# Altium PCB TTN_Gateway_V2.3.1.PcbDoc (part 2 of 3) (continued)
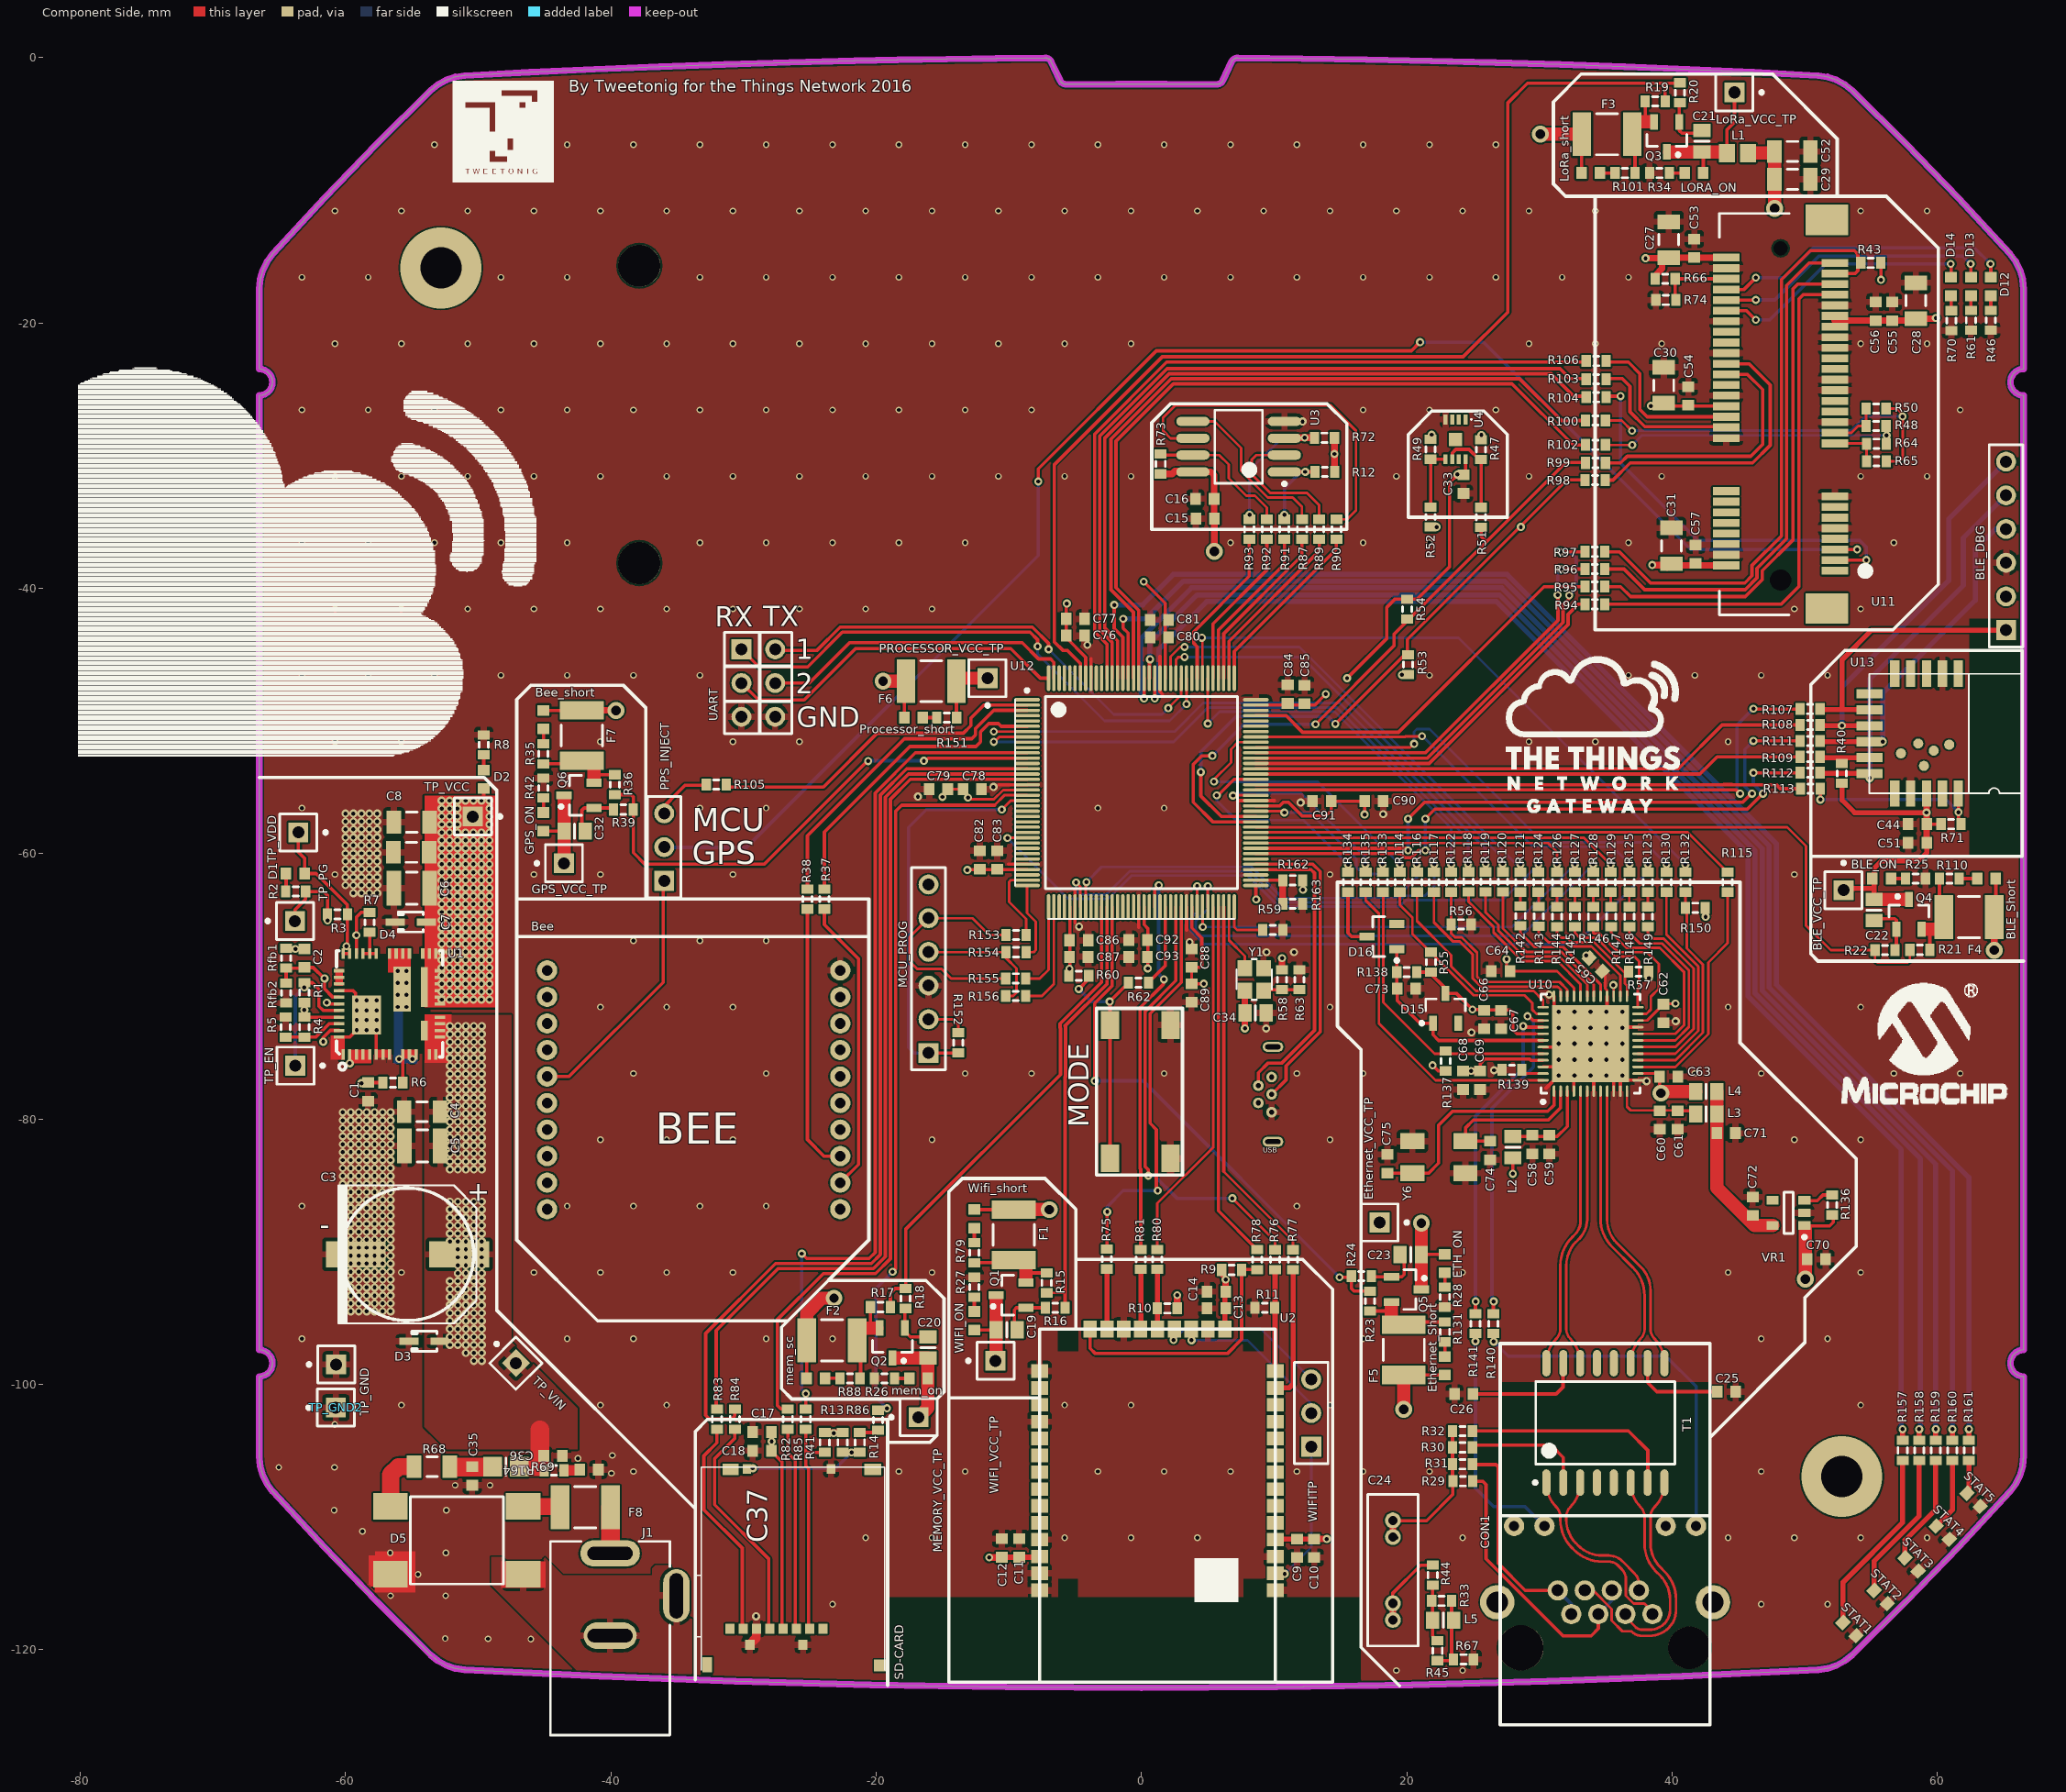
[diagram p0: Component Side view]
## Nets (pads, with @x,y where several pads share a name; then routed paths per layer and width w, separated by ;. In a path a pad name is that pad's centre, name@x,y a point inside that pad or via, vN(x,y) a via of type N, cw(c..) or ccw(c..) an arc to the next point about the centre after c; other vN are vias at no path point) (continued)
  Component Side w0.5: v1(38,-15.122) C27.2@39.7,-15.122 ; v1(38.5,-38.247) C31.2@39.85,-38.247 ; R66.1@38.725,-16.672 38.725,-16.422 39.25,-15.897 C27.2@39.25,-15.572 ; C27.2@39.75,-15.072 C53.2@41.85,-15.072 ; C31.2@39.925,-38.272 U11.2@44.075,-38.272 ; C53.2@41.675,-15.072 U11.52@44.075,-15.072 ; 52.25,-19.822 C56.2@55.35,-19.822 C55.2@56.6,-19.822 C28.2@58.225,-19.822 ; C28.2@58.375,-19.672 v1@59.825,-19.672
  Component Side w1: L1.2@45.725,-7.2 C52.2@47.598,-7.2 ; v4(47.725,-11.372) C29.2@47.725,-9.172 C52.2@47.725,-7.072
  Signal Layer 3 w0.5: v1(38,-15.122) 41.75,-11.372 v4(47.725,-11.372) ; v1(38.4,-26.247) 44.875,-26.247 ; v1(38.5,-38.247) 44.875,-31.872 44.875,-26.247 ; v1(59.875,-19.622) 56.95,-19.622 55.75,-18.422 v1(55.75,-16.747) 55.75,-14.297 52.825,-11.372 v4(47.725,-11.372) ; 44.875,-26.247 44.875,-15.672 47.725,-12.822 v4(47.725,-11.372)
"MEMORY VCC": C17.2 C18.2 C20.2 mem_on.1 MEMORY_VCC_TP.1 Q2.1 R13.1 R41.2 SD-CARD.VDD | length 34.8
  Component Side w0.254: v1(-27.875,-104.297) -27.875,-104.947 -27.925,-104.997 -27.087,-105.835 SD-CARD.VDD@-27.087,-118.397 ; C20.2@-16.123,-97.997 C20.2@-16.098,-98.022
  Component Side w0.5: R41.2@-23.875,-103.622 R13.1@-22.525,-103.622
  Component Side w1: Q2.1@-18.498,-97.997 C20.2@-16.123,-97.997 ; MEMORY_VCC_TP.1@-16.725,-102.397 -16.098,-101.77 mem_on.1@-16.098,-99.547 C20.2@-16.098,-98.022
  Signal Layer 3 w0.5: v1(-27.875,-104.297) -27.25,-103.672 -18,-103.672 MEMORY_VCC_TP.1@-16.725,-102.397
  other v1: -23.2,-103.672
NetBee_1: Bee.1 C32.2 GPS_ON.1 GPS_VCC_TP.1 Q6.1 | length 40.3
  Component Side w0.254: GPS_ON.1@-45.075,-58.3 C32.2@-43.525,-58.3
  Component Side w1: -43.525,-59.95 C32.2@-43.525,-58.3 Q6.1@-43.525,-55.85
  Signal Layer 3 w0.5: GPS_VCC_TP.1@-43.475,-60.722 -43.475,-66.02 Bee.1@-22.7,-86.795
NetBee_2: Bee.2 R37.2 | length 22.3
  Component Side w0.254: R37.2@-23.9,-64.172 -23.9,-65.347 -21.325,-67.922 -21.325,-83.42 Bee.2@-22.7,-84.795
NetBee_3: Bee.3 R38.2 | length 20.4
  Component Side w0.254: R38.2@-25.175,-64.17 -25.175,-81.547 -23.927,-82.795 Bee.3@-22.7,-82.795
NetBee_short_2: Bee_short.2 R35.1 | length 1.1
  Component Side w0.254: R35.1@-45.075,-51.725 Bee_short.2@-45.075,-50.6
NetBLE_ON_2: BLE_ON.2 R25.2 | length 1.1
  Component Side w0.254: BLE_ON.2@56.5,-61.874 R25.2@57.6,-61.875
NetBLE_Short_2: BLE_Short.2 R110.1 | length 1.3
  Component Side w0.254: R110.1@61.65,-61.875 BLE_Short.2@63,-61.875
NetC1_2: C1.2 R6.2 U1.51 | length 7.9
  Component Side w0.254: v1@-61.675,-74.05 -61.675,-73.849 -61.145,-73.32 U1.51@-60.475,-73.32 ; C1.2@-58.3,-77.25 R6.2@-57.175,-77.25
  Signal Layer 3 w0.254: v1(-61.675,-74.175) -61.675,-75.775 -60.15,-77.3 v1@-58.775,-77.3
  other v1: -58.8,-77.3
NetC2_2: C2.2 R7.1 Rfb1.2 Rfb2.2 U1.39 U1.46 | length 15.6
  Component Side w0.254: Rfb2.2@-64.475,-69.749 Rfb1.2@-64.475,-68.625 -63.15,-68.625 C2.2@-63.1,-68.575 -62.425,-68.575 -61.575,-69.425 -61.575,-70.189 -60.945,-70.819 U1.46@-60.475,-70.819 ; U1.39@-59.175,-67.52 v1(-59.175,-66.147) -59.175,-64.775 -58.825,-64.425 R7.1@-58.175,-64.425
  Signal Layer 3 w0.254: v1(-61.575,-69.4) -61.575,-66.9 -60.823,-66.147 v1(-59.175,-66.147)
NetC3_1: C3.1 C4.2 C5.2 C36.2 D3.2 R1.1 R4.2 R69.2 R164.2 TP_VIN.1 U1.14 U1.15 U1.16 U1.17 U1.18 U1.19 U1.49 | length 41.9
  Component Side w0.254: R4.2@-63.1,-72.325 R4.2@-63.095,-72.319 ; R4.2@-63.1,-72.319 R4.2@-63.095,-72.319 ; U1.49@-60.475,-72.319 R4.2@-63.095,-72.319
  Component Side w1.4: R69.2@-46.9,-106.2 -45.35,-106.2 -45.35,-103.425
  Signal Layer 3 w0.254: v1(-63.1,-71.775) -62.375,-72.5 -62.375,-93.525 -56.165,-99.734 -53.522,-99.734 -52.492,-100.764
  other v1: -50.325,-98.222 -49.725,-98.222 -50.925,-97.622 -50.325,-97.622 -49.725,-97.622 -52.125,-97.022 -51.525,-97.022 -50.925,-97.022 -50.325,-97.022 -49.725,-97.022 -52.125,-96.422 -51.525,-96.422 -50.925,-96.422 -50.325,-96.422 -49.725,-96.422 -52.125,-95.822 -51.525,-95.822 -50.925,-95.822 -50.325,-95.822 -49.725,-95.822 -52.125,-95.222 -51.525,-95.222 -50.925,-95.222 -50.325,-95.222 -49.725,-95.222 -52.125,-94.622 -51.525,-94.622 -50.925,-94.622 -50.325,-94.622 -49.725,-94.622 -52.125,-94.022 -51.525,-94.022 -50.925,-94.022 -50.325,-94.022 -49.725,-94.022 -52.125,-93.422 -51.525,-93.422 -50.925,-93.422 -50.325,-93.422 -49.725,-93.422 -52.125,-92.822 -51.525,-92.822 -50.925,-92.822 -50.325,-92.822 -49.725,-92.822 -52.125,-92.222 -51.525,-92.222 -50.925,-92.222 -50.325,-92.222 -49.725,-92.222 -51.525,-91.622 -50.925,-91.622 -50.325,-91.622 -49.725,-91.622 -51.525,-91.022 -50.925,-91.022 -50.325,-91.022 -49.725,-91.022 -51.525,-90.422 -50.925,-90.422 -50.325,-90.422 -49.725,-90.422 -51.525,-89.822 -50.925,-89.822 -50.325,-89.822 -49.725,-89.822 -52.125,-89.222 -51.525,-89.222 -50.925,-89.222 -50.325,-89.222 -49.725,-89.222 -52.125,-88.622 -51.525,-88.622 -50.925,-88.622 -50.325,-88.622 -49.725,-88.622 -52.125,-88.022 -51.525,-88.022 -50.925,-88.022 -50.325,-88.022 -49.725,-88.022 -52.125,-87.422 -51.525,-87.422 -50.925,-87.422 -50.325,-87.422 -49.725,-87.422 -52.125,-86.822 -51.525,-86.822 -50.925,-86.822 -50.325,-86.822 -49.725,-86.822 -52.125,-86.222 -51.525,-86.222 -50.925,-86.222 -50.325,-86.222 -49.725,-86.222 -52.125,-83.797 -51.525,-83.797 -50.925,-83.797 -50.325,-83.797 -49.725,-83.797 -52.125,-83.197 -51.525,-83.197 -50.925,-83.197 -50.325,-83.197 -49.725,-83.197 -52.125,-82.597 -51.525,-82.597 -50.925,-82.597 -50.325,-82.597 -49.725,-82.597 -52.125,-81.997 -51.525,-81.997 -50.925,-81.997 -50.325,-81.997 -49.725,-81.997 -52.125,-81.397 -51.525,-81.397 -50.925,-81.397 -50.325,-81.397 -49.725,-81.397 -52.125,-80.797 -51.525,-80.797 -50.925,-80.797 -50.325,-80.797 -49.725,-80.797 -52.125,-80.197 -51.525,-80.197 -50.925,-80.197 -50.325,-80.197 -49.725,-80.197 -52.125,-79.597 -51.525,-79.597 -50.925,-79.597 -50.325,-79.597 -49.725,-79.597 -52.125,-78.997 -51.525,-78.997 -50.925,-78.997 -50.325,-78.997 -49.725,-78.997 -52.125,-78.397 -51.525,-78.397 -50.925,-78.397 -50.325,-78.397 -49.725,-78.397 -52.125,-77.797 -51.525,-77.797 -50.925,-77.797 -50.325,-77.797 -49.725,-77.797 -52.125,-77.197 -51.525,-77.197 -50.925,-77.197 -50.325,-77.197 -49.725,-77.197 -52.125,-76.597 -51.525,-76.597 -50.925,-76.597 -50.325,-76.597 -49.725,-76.597 -52.125,-75.997 -51.525,-75.997 -50.925,-75.997 -50.325,-75.997 -49.725,-75.997 -52.125,-75.397 -51.525,-75.397 -50.925,-75.397 -50.325,-75.397 -49.725,-75.397 -52.125,-74.797 -51.525,-74.797 -50.925,-74.797 -50.325,-74.797 -49.725,-74.797 -52.125,-74.197 -51.525,-74.197 -50.925,-74.197 -50.325,-74.197 -49.725,-74.197 -52.125,-73.597 -51.525,-73.597 -50.925,-73.597 -50.325,-73.597 -49.725,-73.597 -52.125,-72.997 -51.525,-72.997 -50.925,-72.997 -50.325,-72.997 -49.725,-72.997
NetC19_1: C19.1 Q1.3 R16.1 | length 4
  Component Side w0.254: C19.1@-9.35,-95.874 -9.575,-95.649 -9.575,-94.375 -9.425,-94.225 Q1.3@-8.7,-94.225 R16.1@-7.25,-94.224
NetC20_1: C20.1 Q2.3 R18.1 | length 3.8
  Component Side w0.254: R18.1@-17.873,-94.172 R18.1@-17.773,-94.272 -17.823,-94.322 Q2.3@-17.823,-95.747 -17.823,-96.022 -17.423,-96.422 C20.1@-16.098,-96.422
NetC21_1: C21.1 Q3.3 R20.1 | length 3.9
  Component Side w0.254: R20.1@40.55,-3.449 Q3.3@40.55,-4.85 40.55,-5.5 40.75,-5.7 42.05,-5.7 C21.1@42.25,-5.5
NetC21_2: C21.2 L1.1 LORA_ON.1 LoRa_VCC_TP.1 Q3.1 | length 10.8
  Component Side w0.254: C21.2@42.25,-7.1 42.35,-7.2 LORA_ON.1@42.35,-8.7 ; L1.1@44.025,-7.1 L1.1@44.125,-7.2 44.125,-5.447 44.7,-4.872 LoRa_VCC_TP.1@44.7,-2.622
  Component Side w1: Q3.1@39.825,-7.1 C21.2@42.25,-7.1 L1.1@44.025,-7.1
NetC22_1: C22.1 Q4.3 R22.1 | length 4
  Component Side w0.254: C22.1@55.225,-65.05 55.375,-64.9 56.775,-64.9 56.9,-65.025 Q4.3@56.9,-65.7 56.9,-67.05 R22.1@56.8,-67.15
NetC23_1: C23.1 Q5.3 R24.1 | length 3.7
  Component Side w0.254: R24.1@17.375,-91.895 Q5.3@18.85,-91.895 19.625,-91.895 19.8,-91.72 C23.1@19.8,-90.52
NetC24_1: C24.1 R44.1 | length 6
  Component Side w0.254: C24.1@18.95,-117.807 18.95,-115.722 21.05,-113.622 R44.1@21.95,-113.622
NetC24_2: C24.2 R29.2 R30.1 R31.2 R32.1 | length 10.1
  Component Side w0.254: C24.2@18.95,-110.272 21.5,-110.272 23.475,-108.297 R29.2@23.475,-107.297 23.45,-107.272 R30.1@23.45,-104.747 R32.1@23.45,-103.522
  other v2: 19.215,-111.559
NetC25_2: C25.2 T1.10 | length 6.9
  Component Side w0.254: T1.10@38.15,-98.475 38.15,-99.85 38.847,-100.547 C25.2@43.4,-100.547
NetC26_2: C26.2 T1.15 | length 8.8
  Component Side w0.254: C26.2@25,-100.722 31.253,-100.722 31.775,-100.2 T1.15@31.775,-98.35
NetC32_1: C32.1 Q6.3 R39.2 | length 4
  Component Side w0.254: C32.1@-41.925,-58.3 -42.175,-58.05 -42.175,-56.725 -42,-56.55 Q6.3@-41.275,-56.55 R39.2@-39.925,-56.55
NetC35_2: C35.2 R68.2 R69.1 | length 2.8
  Component Side w1.4: R68.2@-51.725,-106.225 R69.1@-48.9,-106.225
NetC37_2: C37.2 R164.1 | length 1.1
  Component Side w0.8: R164.1@-43.5,-106.475 C37.2@-42.4,-106.475
NetC58_2: C58.2 C59.2 L2.2 U10.3 | length 7.4
  Component Side w0.2: L2.2@28.175,-81.472 L2.2@28.425,-81.222
  Component Side w0.254: L2.2@28,-81.322 31.325,-81.322 32.1,-80.547 U10.3@32.1,-77.897
NetC60_2: C60.2 C61.2 L3.1 U10.12 | length 6.5
  Component Side w0.2: U10.12@36.6,-77.897 36.6,-79.072 36.875,-79.347 C61.2@40.35,-79.347
  Component Side w0.254: C61.2@40.425,-79.372 41.525,-79.372 L3.1@41.775,-79.622
NetC63_2: C63.2 C65.2 C68.2 C69.2 L4.1 U10.14 U10.27 U10.45 | length 50.5
  Component Side w0.2: U10.27@35.6,-70.747 v1@35.6,-70.122 ; U10.14@37.425,-76.572 C63.2@38.825,-76.572
  Component Side w0.254: C69.2@25.55,-76.422 25.55,-75.797 25.875,-75.472 29.25,-75.472 29.35,-75.572 U10.45@30.275,-75.572 ; C63.2@39.05,-76.797 39.05,-77.872 v4@39.1,-77.922
  Component Side w0.5: C68.2@24.25,-76.372 C69.2@25.525,-76.372
  Component Side w1: v4@39.1,-77.922 L4.1@41.775,-77.922
  Signal Layer 3 w0.254: v1(35.575,-69.897) 35.098,-69.897 33.525,-68.324 v1(33.525,-67.672) 39.475,-67.672 42.95,-71.147 42.95,-74.247 v4(39.15,-78.047)
  Signal Layer 3 w0.5: v1(24.85,-76.372) 26.775,-78.297 38.625,-78.297 v4@39.05,-77.872
NetC73_2: C73.2 D15.1 D16.1 R138.1 U10.42 | length 16.6
  Component Side w0.254: D16.1@19.25,-67.197 19.25,-70.147 C73.2@19.275,-70.172 19.275,-71.047 21,-72.772 D15.1@21.975,-72.772 21.975,-73.647 22.4,-74.072 U10.42@30.275,-74.072
NetC74_2: C74.2 U10.2 Y6.1 | length 11.9
  Component Side w0.254: Y6.1@24.4,-81.647 Y6.1@24.425,-81.672 ; C74.2@26.275,-81.672 Y6.1@24.425,-81.672 ; U10.2@31.6,-77.897 31.6,-79.147 30.675,-80.072 25.025,-80.072 24.425,-80.672 Y6.1@24.425,-81.672
NetC75_2: C75.2 U10.1 Y6.3 | length 17.4
  Component Side w0.254: C75.2@18.55,-84.072 Y6.3@20.425,-84.072 21.65,-84.072 22.4,-83.322 22.4,-80.472 23.45,-79.422 30.625,-79.422 31.1,-78.947 U10.1@31.1,-77.897
NetCON1_4: CON1.4 CON1.5 R29.1 | length 20.3
  Component Side w0.254: R29.1@24.975,-107.297 25.725,-107.297 25.975,-107.547 25.975,-113.147 31.775,-118.947 33.9,-118.947 34.44,-118.407 CON1.5@34.44,-117.307
  Solder Side w0.254: CON1.5@34.44,-117.307 CON1.4@35.46,-116.287
NetCON1_7: CON1.7 CON1.8 R31.1 | length 16.8
  Component Side w0.254: R31.1@24.95,-106.047 26.725,-106.047 26.9,-106.222 26.9,-113.497 28.93,-115.527 CON1.8@31.38,-115.527
  Solder Side w0.254: CON1.8@31.38,-115.527 32.4,-116.547 CON1.7@32.4,-117.307
NetCON1_9: CON1.9 R140.2 | length 27.2
  Solder Side w0.254: v1(26.55,-96.772) 27.65,-97.872 39.525,-97.872 41.81,-100.157 CON1.9@41.81,-110.667
NetCON1_11: CON1.11 R141.2 | length 17.5
  Solder Side w0.254: v1(25.175,-96.747) 25.175,-107.822 26.55,-109.197 28.91,-109.197 CON1.11@30.38,-110.667
NetD1_1: D1.1 R3.1 TP_VDD.1 U1.2 U1.3 U1.4 U1.5 U1.40 U1.41 | length 20.7
  Component Side w0.254: TP_VDD.1@-63.55,-58.397 -63.55,-59.872 -63.075,-60.347 D1.1@-63.075,-61.5 -62.2,-61.5 -59.85,-63.85 R3.1@-59.85,-64.575 -59.85,-66.9 v1(-59.925,-66.975) ; U1.41@-60.175,-67.52 U1.40@-59.675,-67.519
  Signal Layer 3 w0.254: v1(-59.925,-66.975) -60.675,-67.725 -60.675,-74.799 v1(-59.675,-75.8)
NetD1_2: D1.2 R2.1 | length 1.4
  Component Side w0.254: R2.1@-64.5,-62.849 -64.475,-62.824 D1.2@-64.475,-61.5
NetD2_2: D2.2 R8.2 | length 1.2
  Component Side w0.254: D2.2@-49.575,-53.697 R8.2@-49.575,-52.547
NetD5_1: D5.1 R68.1 | length 4.2
  Component Side w1.3: D5.1@-56.6,-109.2 -56.6,-106.8 -56,-106.2 R68.1@-55.05,-106.2
NetD5_3: D5.3 J1.2 J1.2A J1.2B J1.3 J1.3A J1.3B pad.2@-35.05,-115.932 pad.2@-40.05,-118.932
NetD5_4: D5.4 F8.2 | length 2.7
  Component Side w1.3: D5.4@-46.6,-109.2 F8.2@-43.875,-109.2
NetD12_1: D12.1 U11.46 | length 22.7
  Component Side w0.254: U11.46@44.075,-17.472 45.425,-17.472 v1@46.3,-16.597 ; D12.1@64.025,-16.547 v1@64.025,-15.572
  Solder Side w0.254: v1(46.312,-16.585) 48.413,-16.585 50.65,-14.347 62.8,-14.347 v1(64,-15.547)
NetD12_2: D12.2 R46.2 | length 1.1
  Component Side w0.254: R46.2@64.025,-19.047 D12.2@64.025,-17.947
NetD13_1: D13.1 U11.44 | length 21
  Component Side w0.254: U11.44@44.075,-18.272 v1@46.3,-18.272 ; D13.1@62.525,-16.547 v1@62.525,-15.572
  Solder Side w0.254: v1(46.313,-18.26) 47.747,-18.26 51.056,-14.951 61.904,-14.951 v1(62.5,-15.547)
NetD13_2: D13.2 R61.2 | length 1.1
  Component Side w0.254: R61.2@62.525,-19.047 D13.2@62.525,-17.947
NetD14_1: D14.1 U11.42 | length 19.9
  Component Side w0.254: U11.42@44.075,-19.072 45.6,-19.072 v1@46.3,-19.772 ; D14.1@61.025,-16.547 v1@61.025,-15.572
  Solder Side w0.254: v1(46.312,-19.76) 47.363,-19.76 51.575,-15.547 v1(61,-15.547)
NetD14_2: D14.2 R70.2 | length 1.1
  Component Side w0.254: D14.2@61.025,-17.947 61.025,-19.047 R70.2@61.05,-19.072
NetD16_3: D16.3 R134.1 | length 4.6
  Component Side w0.254: R134.1@15.575,-62.897 15.575,-65.972 15.85,-66.247 D16.3@17,-66.247
NetETH_ON_2: ETH_ON.2 R28.2 | length 1.1
  Component Side w0.254: R28.2@22.875,-92.67 ETH_ON.2@22.875,-91.62
NetEthernet_Short_2: Ethernet_Short.2 R131.1 | length 1.1
  Component Side w0.254: Ethernet_Short.2@22.875,-97.895 R131.1@22.875,-96.795
NetF1_2: F1.2 Q1.2 R15.2 R79.2 | length 6.7
  Component Side w0.254: R79.2@-12.6,-90.825 -9.825,-90.825 F1.2@-9.625,-90.625 -9.475,-90.475 F1.2@-8.7,-90.475 ; -8.25,-91.599 R15.2@-7.15,-91.599
  Component Side w1: Q1.2@-8.7,-92.05 F1.2@-8.7,-90.475
NetF2_2: F2.2 Q2.2 R17.2 R88.2 | length 6.8
  Component Side w0.254: F2.2@-21.523,-95.747 -21.423,-95.847 F2.2@-21.423,-96.672 -21.173,-96.922 R88.2@-21.173,-99.297 ; -20.423,-95.722 R17.2@-20.423,-94.172
  Component Side w1: F2.2@-21.523,-95.747 Q2.2@-19.923,-95.747
NetF3_2: F3.2 Q3.2 R19.2 R101.2 | length 6.7
  Component Side w0.254: F3.2@36.85,-4.85 36.85,-5.624 F3.2@37,-5.775 37.2,-5.975 R101.2@37.2,-8.7 ; 37.975,-4.424 R19.2@37.975,-3.3
  Component Side w1: F3.2@36.85,-4.85 Q3.2@38.4,-4.85
NetF4_2: F4.2 Q4.2 R21.2 R110.2 | length 7.3
  Component Side w0.254: Q4.2@59.025,-65.7 59.425,-66.1 R21.2@59.425,-67.249 ; R110.2@60.15,-61.875 60.15,-64.45 F4.2@60.475,-64.775 60.575,-64.875 F4.2@60.575,-65.7
  Component Side w1: Q4.2@59.025,-65.7 F4.2@60.575,-65.7
NetF5_2: F5.2 Q5.2 R23.2 R131.2 | length 6.4
  Component Side w0.254: R23.2@17.225,-94.47 18.45,-94.47 ; F5.2@18.85,-95.445 18.9,-95.495 F5.2@19.775,-95.495 ; F5.2@19.975,-95.295 R131.2@22.875,-95.295
  Component Side w1: F5.2@18.85,-95.445 Q5.2@18.85,-94.07
NetF7_2: F7.2 Q6.2 R35.2 R36.2 | length 6.5
  Component Side w0.254: R35.2@-45.075,-53.225 -42.4,-53.225 F7.2@-42.175,-53 F7.2@-41.275,-53 ; -40.9,-54.05 R36.2@-39.7,-54.05
  Component Side w1: Q6.2@-41.275,-54.425 F7.2@-41.275,-53
NetF8_1: F8.1 J1.1 J1.1A J1.1B pad.2@-40.05,-112.732 | length 3.5
  Component Side w0.254: J1.1@-40.05,-112.732 J1.1@-40.025,-112.707
  Component Side w1.4: J1.1@-40.025,-112.707 F8.1@-40.025,-109.25
NetGPS_ON_2: GPS_ON.2 R42.2 | length 1.1
  Component Side w0.254: GPS_ON.2@-45.075,-56.9 R42.2@-45.075,-55.8
NetL5_1: L5.1 R33.1 R44.2 R45.1 | length 4.4
  Component Side w0.254: R44.2@21.95,-115.122 L5.1@21.95,-117.772 21.95,-118.947 R45.1@22.325,-119.322
NetLORA_ON_2: LORA_ON.2 R34.2 | length 1.1
  Component Side w0.254: R34.2@39.8,-8.7 LORA_ON.2@40.95,-8.7
NetLoRa_short_2: LoRa_short.2 R101.1 | length 1.1
  Component Side w0.254: LoRa_short.2@34.575,-8.7 R101.1@35.7,-8.7
Netmem_on_2: mem_on.2 R26.2 | length 1.1
  Component Side w0.254: R26.2@-18.623,-99.547 mem_on.2@-17.498,-99.547
Netmem_sc_2: mem_sc.2 R88.1 | length 1.2
  Component Side w0.254: mem_sc.2@-23.823,-99.522 R88.1@-22.673,-99.522
NetMODE_2: MODE.2 R60.2 R62.1 | length 17.8
  Component Side w0.254: v1(-4.725,-70.197) -3.975,-69.447 R60.2@-3.975,-69.197 ; MODE.2@-2.372,-82.955 MODE.2@-2.372,-72.922 -2.372,-71.119 R62.1@-0.975,-69.722
  Solder Side w0.254: v1(-4.725,-70.197) -3.778,-71.144 v1(-2.397,-71.144)
NetProcessor_short_2: Processor_short.2 R151.1 | length 1.1
  Component Side w0.254: Processor_short.2@-16.475,-49.747 R151.1@-15.425,-49.747
NetR1_2: R1.2 TP_EN.1 U1.48 | length 10
  Component Side w0.254: R1.2@-62.675,-69.725 -62.5,-69.725 -62,-70.225 -62,-71.5 -61.68,-71.819 U1.48@-60.475,-71.819
  Solder Side w0.254: TP_EN.1@-63.775,-75.975 -63.775,-70.747 v1(-63.1,-70.072)
NetR2_2: R2.2 R3.2 TP_PG.1 U1.47 | length 13.9
  Component Side w0.254: TP_PG.1@-63.8,-65.075 -63.8,-64.224 -63,-63.424 R2.2@-63,-62.849 -61.65,-62.849 -61.35,-63.15 R3.2@-61.35,-64.575 ; v1(-61.4,-71.225) -61.305,-71.319 U1.47@-60.475,-71.319
  Signal Layer 3 w0.254: v1(-61.4,-71.225) -61.75,-71.225 -62.275,-70.7 -62.275,-66.524 -61.375,-65.624 v1@-61.375,-65.025
  other v1: -61.35,-65.025
NetR4_1: R4.1 R5.1 U1.50 | length 4.4
  Component Side w0.254: R5.1@-64.5,-73.825 R4.1@-63.1,-73.825 -62.225,-73.825 -61.22,-72.819 U1.50@-60.475,-72.819
NetR6_1: R6.1 U1.10 U1.11 U1.12 U1.31 U1.32 U1.33 U1.34 | length 2.8
  Component Side w0.254: v1(-56.05,-68.849) v1(-55.4,-68.849) ; R6.1@-55.675,-77.25 U1.10@-55.675,-75.12
  other v1: -55.95,-75.475 -54.95,-75.475 -56.05,-71.55 -55.4,-71.55 -56.05,-70.65 -55.4,-70.65 -56.05,-69.749 -55.4,-69.749
NetR7_2: R7.2 U1.36 U1.37 U1.38 | length 2.6
  Component Side w0.254: U1.38@-58.675,-67.52 U1.37@-58.175,-67.52 ; R7.2@-58.175,-65.925 U1.37@-58.175,-67.52 ; U1.36@-57.675,-67.519 U1.37@-58.175,-67.52
NetR9_1: R9.1 R78.1 U2.23 | length 19.9
  Component Side w0.254: U2.23@-3.87,-95.825 -3.87,-97.277 -3.475,-97.672 6.475,-97.672 7.55,-96.597 R9.1@7.55,-91.372 7.575,-91.347 R78.1@8.725,-91.347
  Component Side w0.381: U2.23@-3.875,-95.82 U2.23@-3.87,-95.825
NetR10_1: R10.1 R80.1 U2.19 | length 4.5
  Component Side w0.381: R80.1@1.2,-91.324 1.21,-91.335 U2.19@1.21,-95.825
NetR11_2: R11.2 R76.1 U2.14 | length 7.7
  Component Side w0.381: R76.1@10.075,-91.349 10.075,-98.975 U2.14@10.1,-99
NetR12_1: R12.1 R91.2 U3.1 | length 6.4
  Component Side w0.254: R91.2@10.775,-34.797 R91.2@10.777,-34.795 ; U3.1@10.777,-31.227 10.782,-31.222 R12.1@13.075,-31.222
  Solder Side w0.254: v1(10.775,-34.447) 10.775,-32.472 12.025,-31.222 v1(12.35,-31.222)
NetR13_2: R13.2 R14.1 SD-CARD.CD | length 7.9
  Solder Side w0.254: v1(-29.3,-106.322) -23.05,-106.322 v1(-21.85,-105.122)
NetR14_2: R14.2 R86.1 | length 1.4
  Component Side w0.254: R14.2@-21.225,-103.622 -20.025,-103.622 R86.1@-19.85,-103.447
NetR15_1: R15.1 R16.2 U12.48 | length 32.9
  Component Side w0.2: R15.1@-7.15,-93.099 -5.802,-93.099
  Component Side w0.254: R16.2@-5.75,-94.224 -5.75,-76.833 -5.725,-76.808 -5.725,-72.997 -5.75,-72.972 -2.6,-69.822 U12.48@-2.6,-64.022
NetR17_1: R17.1 R18.2 U12.47 | length 37.2
  Component Side w0.254: R17.1@-18.923,-94.172 -18.923,-93.12 -18.575,-92.772 R18.2@-17.773,-92.772 -17.773,-88.32 -6.104,-76.651 -6.104,-73.154 -6.129,-73.129 -6.129,-72.815 -3,-69.686 U12.47@-3,-64.022
NetR19_1: R19.1 R20.2 U12.138 | length 86.8
  Component Side w0.254: U12.138@-4.6,-46.772 -4.6,-45.672 -5.6,-44.672 -5.925,-44.672 -6.575,-44.022 -6.575,-30.697 1.575,-22.547 24.25,-22.547 27.625,-19.172 27.625,-3.397 29.1,-1.922 R20.2@40.575,-1.922 ; R19.1@39.475,-3.3 39.475,-1.922
NetR21_1: R21.1 R22.2 U12.84 | length 58.3
  Component Side w0.2: U12.84@8.625,-57.997 48.675,-57.997 50.1,-59.422 50.1,-65.422 51.952,-67.275 R22.2@55.3,-67.275 55.3,-68.022 55.475,-68.197 57.775,-68.197 57.925,-68.047 R21.1@57.925,-67.249
NetR23_1: R23.1 R24.2 U12.49 | length 41.6
  Component Side w0.254: v1(-3.525,-77.122) -3.525,-71.283 -2.221,-69.979 -2.221,-69.944 -2.2,-69.923 U12.49@-2.2,-64.022 ; v1(14.925,-91.922) 15.748,-91.922 R24.2@15.825,-91.845 15.825,-92.772 16.023,-92.97 R23.1@17.225,-92.97
  Solder Side w0.254: v1(-3.525,-77.122) 0.125,-77.122 v1(14.925,-91.922)
NetR27_2: R27.2 WIFI_ON.2 | length 1.1
  Component Side w0.254: WIFI_ON.2@-12.6,-94.499 R27.2@-12.6,-93.425
NetR30_2: R30.2 T1.2 | length 9.1
  Component Side w0.254: R30.2@24.95,-104.572 30.872,-104.572 31.8,-105.5 T1.2@31.8,-107.4
NetR32_2: R32.2 T1.7 | length 16.3
  Component Side w0.254: R32.2@24.95,-103.497 36.697,-103.497 38.175,-104.975 T1.7@38.175,-107.475
NetR36_1: R36.1 R39.1 U12.12 | length 39
  Component Side w0.254: R36.1@-39.7,-55.55 -38.473,-55.55 -38.3,-55.722 R39.1@-38.3,-56.675 -38.3,-59.922 -37.425,-60.797 -28.45,-60.797 -20.675,-53.022 v1(-20.6,-53.022) ; v1(-16.4,-52.997) -16.275,-52.997 -16.075,-52.797 U12.12@-8.625,-52.797
  Solder Side w0.254: v1(-20.6,-53.022) -20.575,-52.997 v1(-16.4,-52.997)
NetR37_1: R37.1 U12.6 | length 23.5
  Component Side w0.254: R37.1@-23.9,-62.672 -23.9,-58.369 -17.453,-51.922 -12.479,-51.922 -12.125,-51.568 -12.125,-50.823 -11.499,-50.197 -10.775,-50.197 -10.575,-50.397 U12.6@-8.625,-50.397
NetR38_1: R38.1 U12.3 | length 24.8
  Component Side w0.254: R38.1@-25.175,-62.67 -25.175,-58.643 -17.867,-51.335 -12.788,-51.335 -12.504,-51.051 -12.504,-50.576 -11.125,-49.197 U12.3@-8.625,-49.197
NetR40_1: R40.1 R109.1 U13.10 | length 3.8
  Component Side w0.381: R109.1@51.15,-52.7 51.206,-52.756 U13.10@54.884,-52.756
NetR41_1: R41.1 R85.1 SD-CARD.\C\S\ | length 16.5
  Component Side w0.254: R85.1@-25.3,-103.372 -25.3,-105.122 ; SD-CARD.\C\S\@-25.087,-118.397 -25.087,-106.335 -25.3,-106.122 -25.3,-105.122 ; R41.1@-23.875,-105.122 -25.3,-105.122
NetR43_1: R43.1 R97.1 U11.49 | length 45.4
  Component Side w0.254: R97.1@34.925,-37.247 36.025,-37.247 38.375,-39.597 45.478,-39.597 46.021,-39.054 46.021,-38.276 48.246,-36.051 48.246,-16.726 50.425,-14.547 53.75,-14.547 54,-14.797 54,-16.072 53.8,-16.272 U11.49@52.275,-16.272
NetR48_1: R48.1 R50.1 U11.19 | length 3.9
  Component Side w0.2: U11.19@52.275,-28.272 53.525,-28.272 54.025,-27.772 R48.1@54.625,-27.772 R50.1@54.625,-26.447
NetR48_2: R48.2 R64.2 R102.1 | length 22.8
  Component Side w0.2: R102.1@34.975,-29.197 v1(37,-29.197) ; R48.2@56.125,-27.772 56.15,-27.797 R64.2@56.15,-29.097
  Solder Side w0.2: v1(37,-29.197) 37.725,-28.472 v1(56.175,-28.472)
NetR50_2: R50.2 R65.1 R100.1 | length 29.2
  Component Side w0.2: R100.1@34.975,-27.347 36.2,-27.347 v1(36.975,-28.122) ; R50.2@56.125,-26.447 56.95,-26.447 57.375,-26.872 v1(57.375,-27.047) 57.375,-30.197 57.15,-30.422 R65.1@56.15,-30.422
  Solder Side w0.2: v1(36.975,-28.122) 53.475,-28.122 54.55,-27.047 v1(57.375,-27.047)
NetR51_2: R51.2 R54.2 R99.2 U12.85 | length 48.9
  Component Side w0.254: v1(5.35,-52.622) 4.55,-52.622 3.9,-53.272 3.9,-56.122 5.375,-57.597 U12.85@8.625,-57.597 ; v1(13.125,-50.247) 19.05,-44.322 19.05,-43.447 31.975,-30.522 R99.2@33.4,-30.522 ; R51.2@25.6,-35.397 25.6,-36.072 26.013,-36.485
  Solder Side w0.254: v1(5.35,-52.622) 7.725,-50.247 v1(13.125,-50.247)
NetR52_2: R52.2 R53.2 R98.2 U12.86 | length 52.9
  Component Side w0.254: v1(4.475,-53.847) 4.475,-55.647 6.025,-57.197 U12.86@8.625,-57.197 ; v1(14.625,-50.222) 20.05,-44.797 20.05,-43.847 32.075,-31.822 R98.2@33.4,-31.822
  Signal Layer 3 w0.254: v1(22.25,-35.372) v1(28.6,-35.372)
  Solder Side w0.254: v1(4.475,-53.847) 4.475,-52.322 7.148,-49.649 14.052,-49.649 v1(14.625,-50.222)
NetR55_2: R55.2 R114.1 U10.38 | length 16.2
  Component Side w0.2: R114.1@19.475,-62.897 19.475,-63.867 20.423,-64.815 20.423,-66.055 25.042,-70.675 25.872,-70.675 25.874,-70.672 28.875,-70.672 29.45,-71.247 29.45,-71.747 29.775,-72.072 U10.38@30.275,-72.072
NetR56_2: R56.2 R122.1 U10.34 | length 15.2
  Component Side w0.2: R122.1@23.35,-62.897 R56.2@23.35,-65.322 23.35,-66.012 23.635,-66.297 24.135,-66.297 25.3,-67.463 25.3,-69.263 25.71,-69.672 31.525,-69.672 32.1,-70.247 U10.34@32.1,-70.747
NetR57_2: R57.2 R144.2 U10.25 | length 8.7
  Component Side w0.2: R144.2@31.325,-65.497 31.325,-65.997 31.663,-66.335 32.085,-66.335 32.422,-66.672 34.123,-66.672 36.452,-69.001 36.452,-69.798 36.623,-69.969 36.623,-70.724 U10.25@36.6,-70.747
NetR58_1: R58.1 R63.2 Y1.1 | length 2.7
  Component Side w0.254: Y1.1@9.2,-70.322 9.275,-70.247 R63.2@11.9,-70.247
NetR59_2: R59.2 U12.72 | length 3.8
  Component Side w0.2: U12.72@7,-64.022 7,-65.547 7.2,-65.747 R59.2@9.15,-65.747
NetR62_2: R62.2 U12.59 | length 6.2
  Component Side w0.254: R62.2@0.525,-69.722 1.8,-68.447 U12.59@1.8,-64.022
NetR64_1: R64.1 R65.2 U11.17 | length 3.7
  Component Side w0.2: U11.17@52.275,-29.072 54.625,-29.072 R64.1@54.65,-29.097 R65.2@54.65,-30.422
NetR66_2: R66.2 R74.2 U11.48 | length 5.4
  Component Side w0.254: R66.2@40.225,-16.672 40.225,-18.222 R74.2@40.275,-18.272 ; R66.2@40.25,-16.672 U11.48@44.075,-16.672
NetR71_1: R71.1 R113.1 U13.16 | length 13.7
  Component Side w0.254: v1(51.175,-55.922) R113.1@51.175,-55.1 ; R71.1@61.581,-57.581 v1(61.581,-56.872) U13.16@61.581,-55.466
  Solder Side w0.254: v1(51.175,-55.922) 60.631,-55.922 v1(61.581,-56.872)
NetR72_1: R72.1 R93.1 U3.3 | length 10.8
  Component Side w0.5: U3.3@10.777,-28.687 10.817,-28.647 R72.1@13.05,-28.647
  Solder Side w0.2: v1(8.15,-34.447) 8.15,-31.122 10.625,-28.647 v1(12.3,-28.647)